# KiCad board IMU-2X.kicad_pcb (continued)
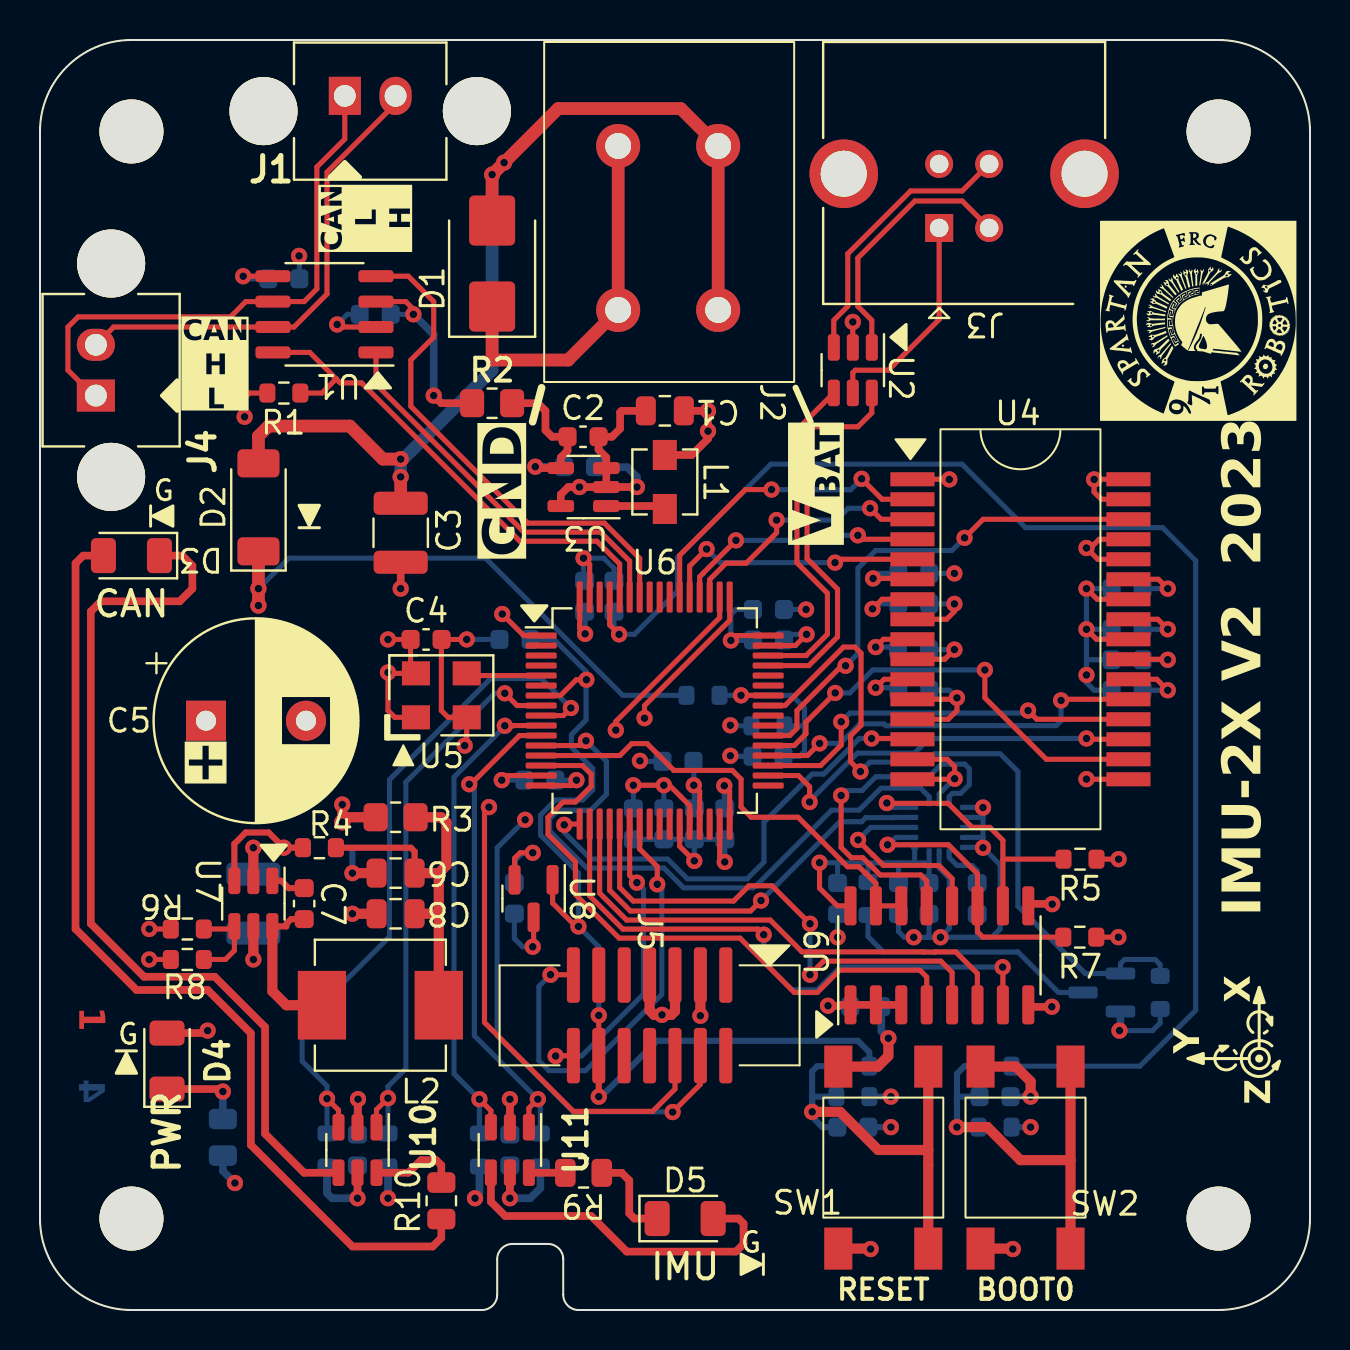
[diagram p0: board, top side]
## Footprints (pads in the part's own frame, mm; a bottom-side part is the same pattern mirrored in y, then rotated) (continued)
SOT-23
  rrect 1.475x0.6 smd: 1(-0.938,0.95) 2(-0.938,-0.95) 3(0.938,0)
SOT-23-5
  rrect 1.325x0.6 smd: 1(-1.137,0.95) 2(-1.137,0) 3(-1.137,-0.95) 4(1.137,-0.95) 5(1.137,0.95)
SOT-23-6
  rrect 1.325x0.6 smd: 1(-1.137,0.95) 2(-1.137,0) 3(-1.137,-0.95) 4(1.137,-0.95) 5(1.137,0) 6(1.137,0.95)
SW_ESWITCH_TL3301xxJ
  rect 1.4x2.1 smd: 1(-2.25,-4.55) 2(-2.25,4.55) 3(2.25,-4.55) 4(2.25,4.55)
USB_B_TE_5787834_Vertical
  rect 1.4x1.4 hole 0.92: 1(0,0)
  round 1.4 hole 0.92: 2(-2.5,0) 3(-2.5,-3.2) 4(0,-3.2)
  round 3.429 hole 2.3: 5(-7.27,-2.71) 5(4.77,-2.71)
Wago-2604-3102
  round 2.2 hole 1.3: 1(0,0) 2(0,-5) 3(8.2,0) 4(8.2,-5)

## Nets
+3V3: C1.1 C4.1 C9.1 C12.1 C14.1 C16.1 C17.1 C19.1 C22.1 C23.1 C26.1 C27.1 C28.1 C29.1 C36.1 C38.1 C39.1 C41.1 C42.1 J5.3 L1.1 Q1.2 R1.1 R3.1 R15.1 R18.2 R20.2 R21.1 R24.1 SW2.1 SW2.2 U1.5 U4.6 U4.7 U4.22 U4.23 U5.1 U5.4 U6.16 U6.29 U6.32 U6.48 U6.64 U8.2 U9.1 U9.2 U9.3 U10.5 U11.5
+5V: C10.1 R2.1 U1.3
GND: C1.2 C2.2 C3.1 C4.2 C5.2 C6.2 C8.2 C9.2 C10.2 C11.2 C12.2 C13.2 C14.2 C15.2 C16.2 C17.2 C18.2 C19.2 C20.2 C21.2 C22.2 C23.2 C24.2 C25.2 C26.2 C27.2 C28.2 C29.2 C30.2 C31.2 C32.2 C33.2 C34.2 C35.2 C36.2 C37.1 C38.2 C40.2 C41.2 C42.2 D1.1 D4.2 J2.2 J2.4 J3.4 J3.5 J5.5 J5.7 R5.2 R7.2 R8.1 R12.2 R13.1 R19.2 R22.2 R23.2 SW1.1 SW1.2 U1.2 U2.2 U3.2 U3.3 U3.5 U4.1 U4.8 U4.10 U4.12 U4.13 U4.15 U4.16 U4.17 U4.24 U4.26 U4.28 U4.29 U4.31 U4.32 U5.2 U6.1 U6.15 U6.27 U6.31 U6.47 U6.63 U7.2 U8.3 U9.8 U9.9 U10.2 U11.2 U12.7 U12.9 U12.10 U12.11 U12.12 U12.13 U12.15
/CAN_H: J1.2 J4.2 U1.7
/CAN_L: J1.1 J4.1 U1.6
/FDCAN_RX: U1.4 U6.58
/FDCAN_STBY: R1.2 U1.8 U6.60
/FDCAN_TX: U1.1 U6.59
/FSYNC_TDK: U9.13 U12.8
/FSYNC_TDK_ST: U6.14 U9.4
/INT_TDK: U6.12 U12.6
/LED1_GRN: R23.1 U6.8 U10.1
/LED1_RED: R24.2 U6.9 U10.3
/LED2_GRN: R22.1 U6.10 U11.3
/LED2_RED: R21.2 U6.11 U11.1
/MISO_DUE: U4.5 U6.53
/MISO_TDK: U6.20 U12.4
/MISO_UNO: U4.21 U6.36
/MOSI_DUE: U4.2 U6.54
/MOSI_TDK: U9.12 U12.3
/MOSI_TDK_ST: U6.21 U9.5
/MOSI_UNO: U4.18 U6.37
/Power Supply/V_{BAT_MON}: C5.1 C37.2 D2.1 R6.2 R11.1 U7.5
/SCK_DUE: U4.4 U6.52
/SCK_TDK: R7.1 U9.11 U12.2
/SCK_TDK_ST: U6.19 U9.6
/SCK_UNO: U4.20 U6.35
/ST_USB_D+: U2.4 U6.46
/ST_USB_D-: U2.6 U6.45
/T_SWCLK: J5.6 U6.50
/T_SWDIO: J5.4 U6.49
/T_VCP_RX: J5.13 U6.23
/T_VCP_TX: J5.14 U6.22
/TDK_PWR_EN: Q1.1 R15.2 U6.41
/USB_D+: J3.3 U2.3
/USB_D-: J3.2 U2.1
/V_{BAT}: C3.2 D1.2 D2.2 J2.1 J2.3
/~{CS_DUE}: U4.3 U6.51
/~{CS_TDK_ST}: U6.18 U9.7
/~{CS_TDK}: R5.1 U9.10 U12.5
/~{CS_UNO}: U4.19 U6.34
/~{RESET_DUE}: U4.30 U6.38
/~{RESET_UNO}: U4.14 U6.17
/~{T_NRST}: C20.1 J5.12 R17.2 U6.7 U8.1
/~{TDK_EN}: U6.13 U9.14 U9.15
Net-(C6-Pad1): C6.1 C8.1 L2.2 R3.2 R4.2
Net-(C39-Pad2): C39.2 R16.1 R19.1 SW2.3 SW2.4
Net-(C40-Pad1): C40.1 R17.1 R18.1 SW1.3 SW1.4
Net-(D3-AK): D3.2 R10.1
Net-(D3-KA): D3.1 U10.4
Net-(D4-KA): D4.1 R20.1
Net-(D5-AK): D5.2 U11.4
Net-(D5-KA): D5.1 R9.1
Net-(J3-VBUS): J3.1 U2.5
Net-(Q1-D): Q1.3 R14.2
Net-(R9-Pad2): R9.2 U11.6
Net-(R10-Pad2): R10.2 U10.6
Net-(U3-SW): L1.2 U3.1
Net-(U3-VOUT): C2.1 C11.1 R2.2 U3.4
Net-(U4-VDDA-DUE): C13.1 U4.27
Net-(U4-VDDA-UNO): C24.1 U4.11
Net-(U4-VDDD-DUE): C21.1 U4.9
Net-(U4-VDDD-UNO): C18.1 U4.25
Net-(U5-OUT): U5.3 U6.5
Net-(U6-PA8/ADC5_IN1): C25.1 R11.2 R12.1 U6.42
Net-(U6-PB8/BOOT0): C15.1 R16.2 U6.61
Net-(U6-VREF+/VREFBUF_OUT): C30.1 C31.1 U6.28
Net-(U7-CB): C7.1 U7.1
Net-(U7-EN): R6.1 R8.2 U7.4
Net-(U7-FB): R4.1 R13.2 U7.3
Net-(U7-SW): C7.2 L2.1 U7.6
Net-(U12-REGOUT): C32.1 U12.14
Net-(U12-VDD): C33.1 C34.1 C35.1 R14.1 U9.16 U12.1 U12.16

Pads without a net: J5 1 2 8 9 10 11; U6 2 3 4 6 24 25 26 30 33 39 40 43 44 55 56 57 62

## Via types
v1: diameter 0.813, hole 0.381, Top to Bottom, 157 vias

## Routing (per net, layer and track width the routed paths; a pad name or vN(x,y) marks a point on that pad's centre or on a via; arc(x,y) is an arc through that point)
+3V3: length 88.8
  Top w0.254: U4.22 55.84,31.54 v1(56.39,30.99) ; v1(41.63,35.05) 42.11,35.54 U4.7 ; U6.29 32.98,25.94 v1(32.69,26.24) ; U4.6 43.58,36.58 v1(41.66,36.58) ; v1(17.4,33.53) C4.1 18.53,32.1 U5.4 17.44,31.83 v1(17.4,31.88) 17.4,29.97 17.74,29.63 U5.1 ; U1.5 v1(10.16,51.69) ; v1(26.82,26.49) 26.55,26.22 U6.16 ; R1.1 10.47,45.85 10.23,45.61 v1(10.23,44.66) ; U4.23 56.36,32.54 v1(56.39,32.51) ; v1(34.21,26.21) 34.48,25.94 U6.32 ; U8.2 23.73,22.59 24,22.86 v1(24.64,22.86) ; v1(34.54,33.48) 34.79,33.72 U6.48 ; U6.64 26.98,34.08 v1(27.25,33.81)
  Top w0.381: v1(39.4,15.21) 39.98,15.21 40.02,15.26 43.07,15.26 ; L1.1 32.59,42.75 33.4,43.56 v1(33.4,43.94) v1(33.4,44.96) C1.1 ; U11.5 v1(23.5,5.59) ; U10.5 v1(15.88,5.59)
  Top w0.508: v1(15.11,25.27) v1(15.11,24.38) 15.37,24.64 R3.1 ; J5.3 v1(33.02,14.71) ; SW2.1 48.62,3.07 v1(48.64,3.05) ; v1(49.53,10.67) 49.53,11.43 48.79,12.17 SW2.2
  Bottom w0.254: v1(27.25,33.81) 27.25,34.89 C16.1 ; C19.1 35.62,33.48 v1(34.54,33.48) 34.54,34.77 34.8,35.03 C17.1 ; v1(10.16,51.69) 10.29,51.56 11.42,51.56 ; v1(34.21,26.21) 34.21,25.08 ; C29.1 32.72,26.21 v1(32.69,26.24) 32.69,27.42 C26.1 ; v1(53.98,13.97) 55.63,13.97 56.01,14.35 R15.1 ; v1(24.64,22.86) 24.13,22.86 23.75,22.48 23.75,21.4 C36.1 ; v1(56.39,30.99) C23.1 ; v1(41.66,36.58) 41.91,36.83 C12.1 ; v1(41.63,35.05) 41.88,35.31 C14.1 ; C27.1 v1(26.82,26.49) ; v1(56.39,32.51) C22.1
  Bottom w0.305: C39.1 v1(49.53,10.67) ; 41.47,10.67 v1(42.55,10.67)
  Bottom w0.381: v1(9.75,6.35) 9.14,6.95 R20.2 ; C38.1 40.48,15.21 v1(39.4,15.21) ; R21.1 25.02,6.1 24.51,5.59 v1(23.5,5.59) C41.1 ; C42.1 v1(15.88,5.59) 14.61,5.59 14.35,5.84 R24.1 ; Q1.2 54.02,14.02 v1(53.98,13.97)
+5V: length 10
  Top w0.254: v1(18.67,49.78) 18.67,50.04 18.29,50.42 U1.3
  Top w0.381: R2.1 20.07,45.34 v1(19.69,45.72)
  Bottom w0.254: C10.1 v1(18.67,49.78)
  Bottom w0.381: v1(18.67,49.78) 19.69,48.77 v1(19.69,45.72)
GND: length 196.5
  Top w0.254: v1(27.18,37.59) 27.48,37.29 U6.63 ; v1(34.24,22.4) 33.98,22.66 U6.31 ; U4.15 45.36,27.54 45.73,27.17 v1(45.73,26.56) 45.7,26.54 U4.16 ; v1(21.34,33.53) 20.08,33.53 20.07,33.52 20.07,29.97 20.4,29.63 U5.2 21.34,28.32 v1(21.23,28.22) ; v1(52.32,26.54) 52.33,26.54 U4.17 ; U4.29 52.96,38.54 52.52,38.1 v1(52.32,38.1) 52.89,37.54 U4.28 ; U6.1 24.19,33.72 v1(23.11,34.8) ; v1(52.32,36.07) 52.86,35.54 U4.26 ; v1(32.72,22.46) 31.98,23.19 U6.27 ; R8.1 v1(5.46,17.53) ; v1(45.72,35.31) 45.72,34.93 45.33,34.54 U4.8 ; U2.2 v1(40.64,49.4) ; v1(52.32,34.04) 52.82,33.54 U4.24 ; U4.31 53.06,40.54 52.71,40.89 v1(52.71,41.53) 52.71,41.54 U4.32 ; v1(38.33,33.78) 37.77,33.22 U6.47 ; R7.2 v1(53.92,18.64) ; v1(14.86,49.28) 14.99,49.15 U1.2 ; R5.2 v1(53.93,22.54) ; v1(45.72,33.02) 45.24,32.54 U4.10 ; U4.13 45.41,29.54 45.85,29.97 v1(45.85,30.61) 45.78,30.54 U4.12 ; v1(24.64,18.16) 24.68,18.2 U8.3 ; U6.15 23.32,26.72 v1(23.09,26.49) ; v1(45.47,41.53) 45.46,41.54 U4.1
  Top w0.381: v1(15.9,10.54) 15.9,9.16 U10.2 ; C1.2 29.08,44.96 29.01,44.88 29.01,44.07 28.6,43.66 C2.2 27.93,43.01 28.32,42.63 U3.3 U3.2 ; 49.42,20.31 50.6,20.31 v1(50.61,20.29) ; U3.2 v1(26.97,41.15) 26.42,41.15 26.04,40.77 U3.5 ; U3.2 v1(29.85,41.15) ; v1(50.59,15.16) 50.59,15.16 49.42,15.16 ; C3.1 v1(18.03,36.07) ; v1(8.38,13.97) 8.26,13.85 D4.2 ; U11.2 v1(23.5,10.54)
  Top w0.508: SW1.1 41.51,3.07 v1(41.53,3.05) ; v1(42.42,13.59) 42.42,12.7 41.89,12.17 SW1.2 ; J5.7 30.48,14.99 30.71,14.76 v1(31.1,14.76) 31.57,14.76 31.75,14.94 J5.5 ; U7.2 v1(10.67,23.11) ; C6.2 v1(15.62,21.84) ; C8.2 v1(15.62,19.81)
  Top w0.635: J2.2 J2.4 26.42,47.51 26.42,47.5 22.61,47.5 D1.1
  Bottom w0.254: v1(34.52,27.71) 34.54,27.69 C25.2 ; 47.15,24.64 v1(47.15,25.12) 47.14,25.13 U12.9 ; 47.15,24.64 47.14,24.63 U12.10 ; 47.15,24.64 47.15,24.13 ; 44.32,18.63 44.45,18.75 C33.2 ; 44.32,18.63 43.7,18.63 v1(43.69,18.64) 43.21,18.64 42.93,18.92 C34.2 ; 44.32,18.63 45.01,18.63 v1(45.02,18.64) ; C14.2 v1(45.72,35.31) ; v1(12.95,52.71) 12.97,52.69 C9.2 ; v1(30,27.46) 30.02,27.43 C26.2 ; C19.2 37.48,33.78 v1(38.33,33.78) ; v1(52.32,34.04) v1(52.32,36.07) C13.2 ; v1(52.32,34.04) C18.2 ; v1(52.32,34.04) v1(52.32,31.75) ; C15.2 28.7,37.08 28.19,37.59 v1(27.18,37.59) 27.18,36.51 C16.2 ; U12.15 44.96,22.09 45.47,21.59 45.47,19.08 v1(45.02,18.64) ; C10.2 15.37,49.78 v1(14.86,49.28) ; v1(34.52,29.24) 34.54,29.21 R12.2 ; 47.15,23.62 47.14,23.63 U12.12 ; 47.15,23.62 47.15,24.13 ; 47.15,23.62 v1(47.15,23.11) ; C32.2 46.86,18.64 ; 46.86,18.64 v1(45.02,18.64) ; 46.86,18.64 47.59,18.64 48.01,19.05 48.01,22.26 v1(47.15,23.11) ; v1(45.73,26.56) 45.72,26.56 44.96,25.81 U12.7 ; C23.2 52.71,30.99 52.32,31.37 v1(52.32,31.75) ; v1(52.32,31.75) 52.32,32.51 C22.2 ; C20.2 v1(21.34,33.53) ; C36.2 23.72,18.57 24.13,18.16 v1(24.64,18.16) ; C29.2 C30.2 C31.2 ; C29.2 C28.2 ; C29.2 v1(32.72,22.46) ; v1(47.15,23.11) 47.13,23.13 U12.13 ; 34.21,23.53 34.24,23.51 v1(34.24,22.4) ; C24.2 45.47,30.99 v1(45.85,30.61) ; C17.2 v1(38.3,35.03) ; v1(23.09,26.49) C27.2 ; C35.2 v1(39.88,18.64) ; 47.15,24.13 U12.11 ; C12.2 v1(45.72,36.83) ; v1(45.72,33.02) C21.2
  Bottom w0.305: v1(15.62,21.84) 15.62,22.99 15.49,23.11 R13.1 ; C40.2 v1(42.55,9.14) ; 48.58,9.14 v1(49.53,9.14)
  Bottom w0.381: v1(21.75,5.59) 21.97,5.81 R22.2 ; C38.2 42.07,13.94 v1(42.42,13.59) ; v1(23.5,10.54) C41.2 ; C42.2 15.88,10.52 v1(15.9,10.54) ; v1(29.85,41.15) 29.85,41.66 29.36,42.14 27.75,42.14 ; R23.2 v1(17.4,5.59)
  Bottom w0.508: v1(10.67,23.11) C37.1
/CAN_H: length 23.9
  Top w0.254: J1.2 17.78,60.32 14.35,56.89 14.35,50.8 12.7,49.15 U1.7 3.68,49.15 J4.2
/CAN_L: length 27.5
  Top w0.254: J4.1 2.67,45.72 1.4,46.99 1.4,49.15 1.91,49.66 9.53,49.66 10.29,50.42 U1.6 13.21,50.42 13.84,51.05 13.84,57.15 15.24,58.55 J1.1
/FDCAN_RX: length 25.6
  Top w0.254: U1.4 18.42,51.69 19.69,50.42 19.69,48.64 18.54,47.5 18.54,45.19 24.38,39.34 28.22,39.34 29.98,37.58 U6.58
/FDCAN_STBY: length 25.5
  Top w0.254: U6.60 28.98,37.3 27.84,38.44 23.99,38.44 16.08,46.36 15.01,46.36 14.81,46.56 ; 13.02,45.85 14.1,45.85 14.81,46.56 ; 14.81,46.56 13.49,47.88 U1.8
/FDCAN_TX: length 19.7
  Top w0.254: U6.59 29.48,37.44 28.03,38.89 24.2,38.89 16.8,46.29 U1.1
/FSYNC_TDK: length 18.2
  Top w0.254: 44.34,20.31 44.34,21.46 44.04,21.75 42.01,21.75 41.46,22.3 41.45,22.3 41.14,22.61 40.57,22.61 40.06,23.13 v1(40.06,25.72)
  Bottom w0.254: U12.8 45.46,25.67 45.62,25.83 46.03,25.83 46.46,26.26 46.46,27.07 46.24,27.29 45.07,27.29 44.44,26.66 41.79,26.66 41.1,25.97 40.3,25.97 v1(40.06,25.72)
/FSYNC_TDK_ST: length 32.2
  Top w0.254: U6.14 25.06,27.22 27.13,27.22 27.56,26.79 27.56,26.19 26.77,25.4 26.16,25.4 25.4,24.64 25.4,23.77 26.77,22.4 26.77,20.78 28.96,18.59 35,18.59 37.72,15.88 38.86,15.88 39.98,16.99 43.99,16.99 44.34,16.65 44.34,15.16
/INT_TDK: length 32.1
  Top w0.254: v1(27.3,28.46) 27.06,28.22 U6.12
  Bottom w0.254: v1(27.3,28.46) 28.32,27.44 28.32,25.78 27.53,24.99 25.91,24.99 25.48,24.56 25.48,23.95 27.34,22.1 31.19,22.1 32.18,21.11 35.65,21.11 35.75,21.2 35.8,21.2 39.59,24.99 40.95,24.99 42.05,26.09 44.03,26.09 44.46,25.66 U12.6
/LED1_GRN: length 28.5
  Top w0.254: v1(17.4,10.59) 16.83,10.02 U10.1 ; U6.8 23.86,30.22 v1(23.24,30.84)
  Bottom w0.254: R23.1 v1(17.4,10.59) 17.4,11.18 18.29,12.07 18.29,26.39 22.73,30.84 v1(23.24,30.84)
/LED1_RED: length 35.1
  Top w0.254: v1(14.35,10.57) 14.93,9.99 U10.3 ; U6.9 26.17,29.72 v1(26.54,30.1)
  Bottom w0.254: R24.2 v1(14.35,10.57) 14.35,11.2 13.11,12.45 13.11,14.3 17.48,18.67 17.48,26.52 22.53,31.57 25.07,31.57 v1(26.54,30.1)
/LED2_GRN: length 25.4
  Top w0.254: U6.10 23.66,29.22 23.65,29.21 v1(23.24,29.21) ; U11.3 22.55,9.97 v1(21.97,10.54)
  Bottom w0.254: v1(23.24,29.21) 23.24,29.18 20.7,26.64 20.7,11.81 v1(21.97,10.54) R22.1
/LED2_RED: length 25.1
  Top w0.254: 24.45,9.14 24.45,10.09 v1(24.89,10.54) ; v1(21.46,26.29) 21.54,26.29 23.97,28.72 U6.11
  Bottom w0.254: v1(21.46,26.29) 21.72,26.04 21.72,13.72 v1(24.89,10.54) 25.02,10.41 R21.2
/MISO_DUE: length 13.4
  Top w0.254: v1(39.75,37.37) 39.92,37.54 U4.5 ; v1(33.33,38.05) 32.48,37.2 U6.53
  Bottom w0.254: v1(33.33,38.05) 34.01,37.37 v1(39.75,37.37)
/MISO_TDK: length 20.9
  Top w0.254: v1(36.05,20.47) 35.53,19.95 29.52,19.95 28.48,20.98 U6.20
  Bottom w0.254: U12.4 42.66,24.63 42.65,24.62 41.29,24.62 41.08,24.41 39.99,24.41 v1(36.05,20.47)
/MISO_UNO: length 19.8
  Top w0.254: v1(51.05,30.48) 51.11,30.54 U4.21 ; U6.36 38.37,27.72 v1(38.98,28.33)
  Bottom w0.254: v1(38.98,28.33) 40.01,28.33 40.99,29.31 42.2,29.31 42.29,29.21 50.8,29.21 51.05,29.46 v1(51.05,30.48)
/MOSI_DUE: length 15.7
  Top w0.254: v1(36.58,41.02) 35.27,41.02 31.98,37.74 U6.54 ; v1(41.08,41.56) 42.1,40.54 U4.2
  Bottom w0.254: v1(36.58,41.02) 37.72,41.02 37.73,41.01 40.53,41.01 v1(41.08,41.56)
/MOSI_TDK: length 9.9
  Top w0.254: v1(40.9,23.51) 40.9,23.48 41.64,22.75 41.65,22.75 42.16,22.23 44.24,22.23 44.25,22.22 44.95,22.22 45.61,21.57 45.61,20.31
  Bottom w0.254: U12.3 41.53,24.13 40.91,23.51 v1(40.9,23.51)
/MOSI_TDK_ST: length 26
  Top w0.254: v1(38.5,16.77) 39.18,17.44 45.04,17.44 45.61,16.88 45.61,15.16 ; v1(38.5,19.31) 36.6,21.21 35.44,21.21 34.68,20.45 29.66,20.45 28.98,21.12 U6.21
  Bottom w0.254: v1(38.5,19.31) v1(38.5,16.77)
/MOSI_UNO: length 22.6
  Top w0.254: U6.37 37.71,28.22 38.3,28.81 38.3,29.39 v1(39.76,30.85) ; U4.18 50.32,27.54 47.24,30.61 v1(47.24,32)
  Bottom w0.254: v1(47.24,32) 41.64,32 40.49,30.85 v1(39.76,30.85)
/Power Supply/V_{BAT_MON}: length 31.6
  Top w0.254: R6.2 v1(5.46,19.05)
  Top w0.508: U7.5 v1(10.67,17.53)
  Top w0.635: D2.1 v1(10.92,36.07) v1(10.92,35.22)
  Bottom w0.254: R11.1 29.13,30.73 22.28,37.59 12.45,37.59 v1(10.92,36.07)
  Bottom w0.508: C37.2 v1(10.67,17.53)
/SCK_DUE: length 12.6
  Top w0.254: U4.4 41.09,38.54 v1(40.89,38.74) ; U6.52 32.98,36.66 33.17,36.85 33.17,36.85 v1(34.8,38.48)
  Bottom w0.254: v1(40.89,38.74) 39.62,38.74 39.37,38.48 v1(34.8,38.48)
/SCK_TDK: length 13.8
  Top w0.254: U9.11 46.88,18.91 47.14,18.64 R7.1 ; 46.88,20.31 46.88,21.81 45.42,23.26 v1(42.38,23.26)
  Bottom w0.254: U12.2 42.8,23.63 42.43,23.26 v1(42.38,23.26)
/SCK_TDK_ST: length 25.7
  Top w0.254: U6.19 27.98,20.84 29.33,19.5 36.51,19.5 38.1,17.91 44.14,17.91 44.15,17.9 44.75,17.9 44.76,17.91 45.79,17.91 46.87,16.82 46.87,15.16
/SCK_UNO: length 20
  Top w0.254: U6.35 39.03,27.22 40.06,28.25 v1(40.06,29.41) ; v1(49.4,29.97) 49.84,29.54 U4.20
  Bottom w0.254: v1(40.06,29.41) 40.5,29.85 49.28,29.85 v1(49.4,29.97)
/ST_USB_D+: length 16.9
  Top w0.254: U2.4 37.85,44.01 37.85,37.36 39.37,35.84 39.37,33.79 38.3,32.72 U6.46
/ST_USB_D-: length 19.6
  Top w0.254: U6.45 36.41,32.22 38.44,32.22 39.88,33.66 39.88,36.05 38.35,37.57 38.35,43.88 38.64,44.16 40.89,44.16 41.59,44.86 U2.6
/T_SWCLK: length 41.1
  Top w0.254: v1(22.45,25.15) 22.23,24.92 22.23,14.38 26.67,9.93 30.63,9.93 31.75,11.05 J5.6 ; U6.50 33.98,34.62 28.79,29.43 v1(28.79,28.99)
  In2.Cu w0.254: v1(22.45,25.15) 23.46,25.15 26,27.69 27.56,27.69 28.79,28.92 v1(28.79,28.99)
/T_SWDIO: length 41.6
  Top w0.254: J5.4 33.02,11.29 v1(31.63,9.9) ; v1(30.23,29.59) 30.23,30.22 34.48,34.48 U6.49
  In2.Cu w0.254: v1(24.26,24.51) 24.26,25.31 26.19,27.23 28.07,27.23 30.23,29.39 v1(30.23,29.59)
  Bottom w0.254: v1(31.63,9.9) 31.62,9.91 26.67,9.91 22.86,13.72 22.86,23.11 v1(24.26,24.51)
/T_VCP_RX: length 22.6
  Top w0.254: v1(25.53,16.76) 26.65,16.76 J5.13 ; v1(30.86,21.29) 30.86,22.17 29.98,23.05 U6.23
  Bottom w0.254: v1(30.86,21.29) 31.09,21.06 31.09,15.78 27.28,11.97 25.45,11.97 24.94,12.47 24.94,16.18 v1(25.53,16.76)
/T_VCP_TX: length 15.4
  Top w0.254: v1(29.85,21.37) 29.48,21.73 U6.22 ; J5.14 25.8,12.72 v1(25.78,12.7)
  Bottom w0.254: v1(29.85,21.37) 30.18,21.04 30.18,15.8 27.08,12.7 v1(25.78,12.7)
/TDK_PWR_EN: length 37.4
  Top w0.254: U6.41 37.25,30.22 40.17,33.15 40.75,33.15 41.05,32.84 41.05,29.23 40.53,28.71 40.53,27.42 v1(41.02,26.92)
  Bottom w0.254: R15.2 56.01,17.27 55.75,17.53 54.23,17.53 54.02,17.32 54.02,16.83 52.26,16.83 48.9,20.19 48.9,26.92 48.01,27.81 44.7,27.81 44.28,27.39 41.49,27.39 v1(41.02,26.92)
/USB_D+: length 13.9
  Top w0.254: J3.3 46.11,55.95 43.53,55.95 40.39,52.81 40.39,50.19 39.69,49.49 U2.3
/USB_D-: length 13.1
  Top w0.254: J3.2 46.11,55.45 43.74,55.45 40.89,52.6 40.89,50.19 41.59,49.49 U2.1
/V_{BAT}: length 52.5
  Top w0.635: C3.2 v1(18.03,41.66) ; J2.3 J2.1 32.04,60.07 25.91,60.07 v1(22.61,56.77) D1.2 ; D2.2 10.92,43.69 11.43,44.2 15.49,44.2 17.15,42.55 v1(18.03,42.55)
  Bottom w0.635: v1(18.03,41.66) v1(18.03,42.55) 18.16,42.55 22.61,46.99 v1(22.61,56.77) v1(23.2,57.37)
/~{CS_DUE}: length 13.1
  Top w0.254: U4.3 42.06,39.54 v1(41.51,40.09) ; U6.51 33.48,36.52 34.3,37.34 35.31,37.34 36.83,38.86 v1(36.83,39.5)
  Bottom w0.254: v1(36.83,39.5) 39.82,39.5 40.41,40.09 v1(41.51,40.09)
/~{CS_TDK_ST}: length 29.4
  Top w0.254: U6.18 27.48,20.7 29.14,19.04 35.91,19.04 v1(36.19,18.77) ; 48.15,15.26 48.15,17.13 v1(48.13,17.15)
  Bottom w0.254: v1(48.13,17.15) 40.01,17.15 38.86,16 37.59,16 36.19,17.41 v1(36.19,18.77)
/~{CS_TDK}: length 14.3
  Top w0.254: v1(42.34,25.35) 42.36,25.33 45.41,25.33 46.61,24.13 47.5,24.13 48.15,23.48 48.15,22.53 ; 48.15,22.53 48.15,20.31 ; 48.15,22.53 48.16,22.54 51.18,22.54
  Bottom w0.254: v1(42.34,25.35) 42.56,25.13 U12.5
/~{CS_UNO}: length 20.4
  Top w0.254: U6.34 37.92,26.72 38.48,26.16 v1(38.48,25.4) ; U4.19 52.36,28.54 v1(52.32,28.58)
  Bottom w0.254: v1(52.32,28.58) 44.45,28.58 43.72,27.84 40.87,27.84 38.48,25.45 v1(38.48,25.4)
/~{RESET_DUE}: length 25.5
  Top w0.254: v1(40.28,32.21) 40.09,32.21 37.85,29.97 37.85,29.08 37.49,28.72 U6.38 ; v1(46.23,38.61) 47.16,39.54 U4.30
  Bottom w0.254: v1(40.28,32.21) 40.89,32.83 40.89,37.08 41.78,37.97 45.59,37.97 v1(46.23,38.61)
/~{RESET_UNO}: length 23.6
  Top w0.254: U6.17 26.25,24.3 v1(26.21,24.26) ; U4.14 43.58,28.58 v1(41.58,28.58)
  Bottom w0.254: v1(26.21,24.26) 26.21,23.88 27.54,22.55 31.38,22.55 32.37,21.56 35.36,21.56 36.2,22.4 36.2,24.38 38.61,26.8 39.19,26.8 40.96,28.58 v1(41.58,28.58)
/~{T_NRST}: length 49.7
  Top w0.254: J5.12 v1(27.94,14.73) ; U6.7 26.02,30.72 26.81,31.51 v1(27.32,31.51) ; v1(26.92,19.18) 26.8,19.18 25.63,20.34 U8.1
  Top w0.305: v1(27.94,10.67) J5.12
  Bottom w0.254: C20.1 25.7,33.53 27.32,31.91 v1(27.32,31.51) 27.31,31.5 27.31,29.5 26.57,28.76 26.57,28.14 27.64,27.08 27.64,26.01 27.13,25.5 25.78,25.5 25.03,24.75 25.03,23.74 26.92,21.84 v1(26.92,19.18) 27.94,18.16 v1(27.94,14.73)
  Bottom w0.305: 41.47,12.19 41.47,12.89 40.89,13.46 30.86,13.46 28.07,10.67 v1(27.94,10.67)
/~{TDK_EN}: length 23
  Top w0.254: 41.8,20.31 41.8,21.32 41.28,21.84 41.27,21.84 40.95,22.16 40.38,22.16 37.9,24.64 35.56,24.64 35.05,25.15 35.05,26.54 34.62,26.98 31.69,26.98 30.35,28.32 29.59,28.32 28.99,27.72 U6.13 ; U9.14 U9.15
Net-(C6-Pad1): length 18.5
  Top w0.305: C6.1 18.73,22.93 18.54,23.11 R4.2
  Top w0.508: L2.2 19.94,19.81 ; 19.94,19.81 19.94,21.84 ; 19.94,19.81 C8.1 ; 19.94,21.84 C6.1 ; 19.94,21.84 20.32,22.23 20.32,24.38 20.07,24.64 R3.2
Net-(C39-Pad2): length 22
  Top w0.508: 51.53,7.49 49.02,7.49 47.37,9.14 v1(45.85,9.14) ; 51.53,7.49 SW2.3 ; 51.53,7.49 SW2.4
  Bottom w0.305: 45.85,10.29 45.85,11.81 46.23,12.19 R16.1 ; 45.85,10.29 v1(45.85,9.14) R19.1 ; 45.85,10.29 45.85,10.67 C39.2
Net-(C40-Pad1): length 22.7
  Top w0.508: SW1.4 SW1.3 ; 44.41,8 41.91,8 40.01,9.91 v1(38.61,9.91)
  Bottom w0.305: v1(38.61,9.91) 38.61,9.65 39.12,9.14 C40.1 ; v1(38.61,9.91) 38.61,11.94 38.86,12.19 R17.1 ; v1(38.61,9.91) 38.61,10.67 R18.1
Net-(D3-AK): length 49.1
  Top w0.381: R10.1 20.07,3.61 19.63,3.18 15.62,3.18 10.54,8.26 10.54,13.84 8.38,16 4.83,16 1.78,19.05 1.78,37.34 2.16,37.72 D3.2
Net-(D3-KA): length 44.8
  Top w0.381: U10.4 13.2,6.86 11.25,8.81 11.25,14.15 8.74,16.66 5.2,16.66 2.54,19.32 2.54,34.93 3.05,35.43 6.99,35.43 7.62,36.07 7.62,37.21 7.11,37.72 D3.1
Net-(D4-KA): length 4.2
  Top w0.381: v1(9.14,10.92) 9.02,11.05 D4.1
  Bottom w0.381: v1(9.14,10.92) R20.1
Net-(D5-AK): length 17.9
  Top w0.381: U11.4 22.55,5.41 23.26,4.7 27.56,4.7 29.34,2.92 34.8,2.92 35.18,3.3 35.18,4.32 34.93,4.57 D5.2
Net-(D5-KA): length 4.7
  Top w0.381: D5.1 29.72,4.57 29.46,4.83 29.46,6.48 29.08,6.86 R9.1
Net-(J3-VBUS): length 11
  Top w0.254: J3.1 44.96,49.53 42.42,46.99 40.77,46.99 40.64,46.86 U2.5
Net-(Q1-D): length 13
  Bottom w0.254: R14.2 41.4,18.67 42.17,17.9 48.88,17.9 48.9,17.91 50.93,15.88 Q1.3
Net-(R9-Pad2): length 1.8
  Top w0.381: 24.45,6.86 26.26,6.86 R9.2
Net-(R10-Pad2): length 4.5
  Top w0.381: R10.2 20.07,7.24 19.81,7.49 19.05,7.49 18.42,6.86 U10.6
Net-(U3-SW): length 3
  Top w0.381: L1.2 31.1,40.2 U3.1
Net-(U3-VOUT): length 8.5
  Top w0.381: v1(24.77,42.16) 24.83,42.1 U3.4 26.04,42.63 26.38,42.96 C2.1 25.6,43.66 25.27,43.99 25.27,44.96 24.89,45.34 R2.2
  Bottom w0.381: v1(24.77,42.16) 26.17,42.16 26.2,42.14
Net-(U4-VDDA-DUE): length 3.4
  Top w0.254: U4.27 55.92,36.54 v1(56.39,36.07)
  Bottom w0.254: v1(56.39,36.07) C13.1
Net-(U4-VDDA-UNO): length 3.2
  Top w0.254: U4.11 42.2,31.54 v1(41.78,31.12)
  Bottom w0.254: C24.1 42.79,31.12 v1(41.78,31.12)
Net-(U4-VDDD-DUE): length 3.2
  Top w0.254: v1(41.78,33.15) 42.17,33.54 U4.9
  Bottom w0.254: C21.1 42.77,33.15 v1(41.78,33.15)
Net-(U4-VDDD-UNO): length 3.4
  Top w0.254: U4.25 55.89,34.54 v1(56.39,34.04)
  Bottom w0.254: v1(56.39,34.04) C18.1
Net-(U5-OUT): length 3.8
  Top w0.254: U6.5 21.45,31.72 U5.3
Net-(U6-PA8/ADC5_IN1): length 10.2
  Top w0.254: v1(35.05,30.73) 36.4,30.73 U6.42
  Bottom w0.254: 38.23,29.21 38.23,30.1 37.59,30.73 v1(35.05,30.73) R11.2 ; 38.23,29.21 R12.1 ; 38.23,29.21 38.23,27.94 37.97,27.69 C25.1
Net-(U6-PB8/BOOT0): length 71.5
  Top w0.254: v1(28.96,33.78) 28.48,34.25 U6.61
  Bottom w0.254: C15.1 28.7,34.04 v1(28.96,33.78) 29.72,33.78 31.88,35.94 31.88,37.63 36.54,42.29 46.1,42.29 49.28,39.12 56.13,39.12 57.79,37.47 57.79,14.99 54.99,12.19 48.58,12.19
Net-(U6-VREF+/VREFBUF_OUT): length 6.5
  Top w0.254: v1(29.67,26.24) v1(31.19,26.24) 31.47,26.24 32.48,25.22 U6.28
  Bottom w0.254: v1(31.19,26.24) C30.1 ; v1(29.67,26.24) C31.1
Net-(U7-CB): length 1.7
  Top w0.305: U7.1 12.07,21.46 12.43,21.1 C7.1
Net-(U7-EN): length 4.5
  Top w0.254: R8.2 9.27,17.53 9.72,17.97 U7.4 9.59,19.05 R6.1
Net-(U7-FB): length 6.8
  Top w0.305: R4.1 v1(12.19,23.11) 11.43,23.88 10.29,23.88 9.72,23.31 U7.3
  Bottom w0.305: R4.1 v1(12.19,23.11)
Net-(U7-SW): length 7.8
  Top w0.305: C7.2 12.56,19.55 12.31,19.3 12.31,19.18 U7.6
  Top w0.508: U7.6 11.62,15.94 12.32,15.24 L2.1
Net-(U12-REGOUT): length 2.6
  Bottom w0.254: U12.14 45.46,22.62 45.85,22.23 46.61,22.23 46.86,21.97 46.86,21.35
Net-(U12-VDD): length 14
  Top w0.254: v1(38.98,22.36) 38.98,21.09 39.86,20.21 U9.16
  Bottom w0.254: 43.74,22.35 43.73,22.36 U12.1 ; 43.74,22.35 42.93,22.35 ; 43.74,22.35 44.46,22.35 ; 42.93,22.35 42.93,21.35 ; 42.93,22.35 41.4,22.35 ; R14.1 41.4,22.35 ; 41.4,22.35 39.88,22.35 ; 44.45,21.35 44.46,21.36 44.46,22.35 ; U12.16 44.46,22.35 ; 39.88,21.35 39.88,22.35 ; 39.88,22.35 39.87,22.36 v1(38.98,22.36)

## Copper pours and planes (outline as drawn; the poured copper is in the pictures)
+3V3 on In2.Cu: 1.27,54.1 1.27,9.65 9.53,9.65 9.53,1.4 22.35,1.4 22.35,2.79 22.61,3.3 22.99,3.68 23.37,3.81 25.53,3.81 25.91,3.68 26.42,3.3 26.67,2.79 26.67,1.4 53.98,1.4 53.98,9.65 62.23,9.65 62.23,54.1 53.98,54.1 53.98,62.36 9.53,62.36 9.53,54.1
GND on In1.Cu: 9.53,1.4 22.35,1.4 22.35,2.79 22.61,3.3 22.99,3.65 23.37,3.81 25.53,3.81 25.91,3.68 26.42,3.3 26.67,2.79 26.67,1.4 53.98,1.4 53.98,9.65 62.23,9.65 62.23,54.1 53.98,54.1 53.98,62.36 9.53,62.36 9.53,54.1 1.27,54.1 1.27,9.65 9.53,9.65
/Power Supply/V_{BAT_MON} on In2.Cu: 1.27,43.31 1.27,14.73 13.97,14.73 13.97,43.31

## Text on the board
Bottom: 4 | Cu LAYER 4
B.Mask: BOTTOM MASK
B.Paste: BOTTOM PASTE
B.Silkscreen: BOTTTOM SILK
User.Drawings: 5 PLACES
Top: 1 | Cu LAYER 1
F.Fab: R | G
F.Mask: FRONT MASK
F.Paste: FRONT PASTE
F.Silkscreen: G | CAN / H / L | CAN / L / H | Y | X | Z | FRONT SILK | GND | V_{BAT} | IMU-2X V2  2023 | +
In1.Cu: 2 | Cu LAYER 2
In2.Cu: 3 | Cu LAYER 3
User.1: F.Silkscreen | F.Paste | F.Mask | F.Cu | Dielectric | In1.Cu | In2.Cu | B.Cu | B.Mask | B.Paste | B.Silkscreen | Top Silk Screen | Top Solder Paste | Top Solder Mask | copper | prepreg | core | Bottom Solder Mask | Bottom Solder Paste | Bottom Silk Screen | Not specified | FR4 | 0 mils | 0.3937007874 mils | 1.377952756 mils | 3.93 mils | 48.81889764 mils | 3.937007874 mils | 1 | 3.3 | 4.5 | 0 | 0.02 | Copper Layer Count: | Board overall dimensions: | Min track/spacing: | Copper Finish: | Castellated pads: | Edge card connectors: | 4 | 2500.00 mils x 2500.00 mils | 10.00 mils / 7.80 mils | None | No | Board Thickness: | Min hole diameter: | Impedance Control: | Plated Board Edge: | 62.99 mils | 11.81 mils | Layer Name | Type | Material | Thickness (mils) | Color | Epsilon R | Loss Tangent | BOARD CHARACTERISTICS
User.2: FRONT | BACK
